# Altium PCB LM317_PSU.PcbDoc
Units mm, origin at the board's own origin, x right, y up, seen from the top; angles counter-clockwise.
Board outline 51.31 x 88.9 mm, 2 copper layers (Top Layer, Bottom Layer); 28 components, 11 nets, 68 pads, 2 vias.
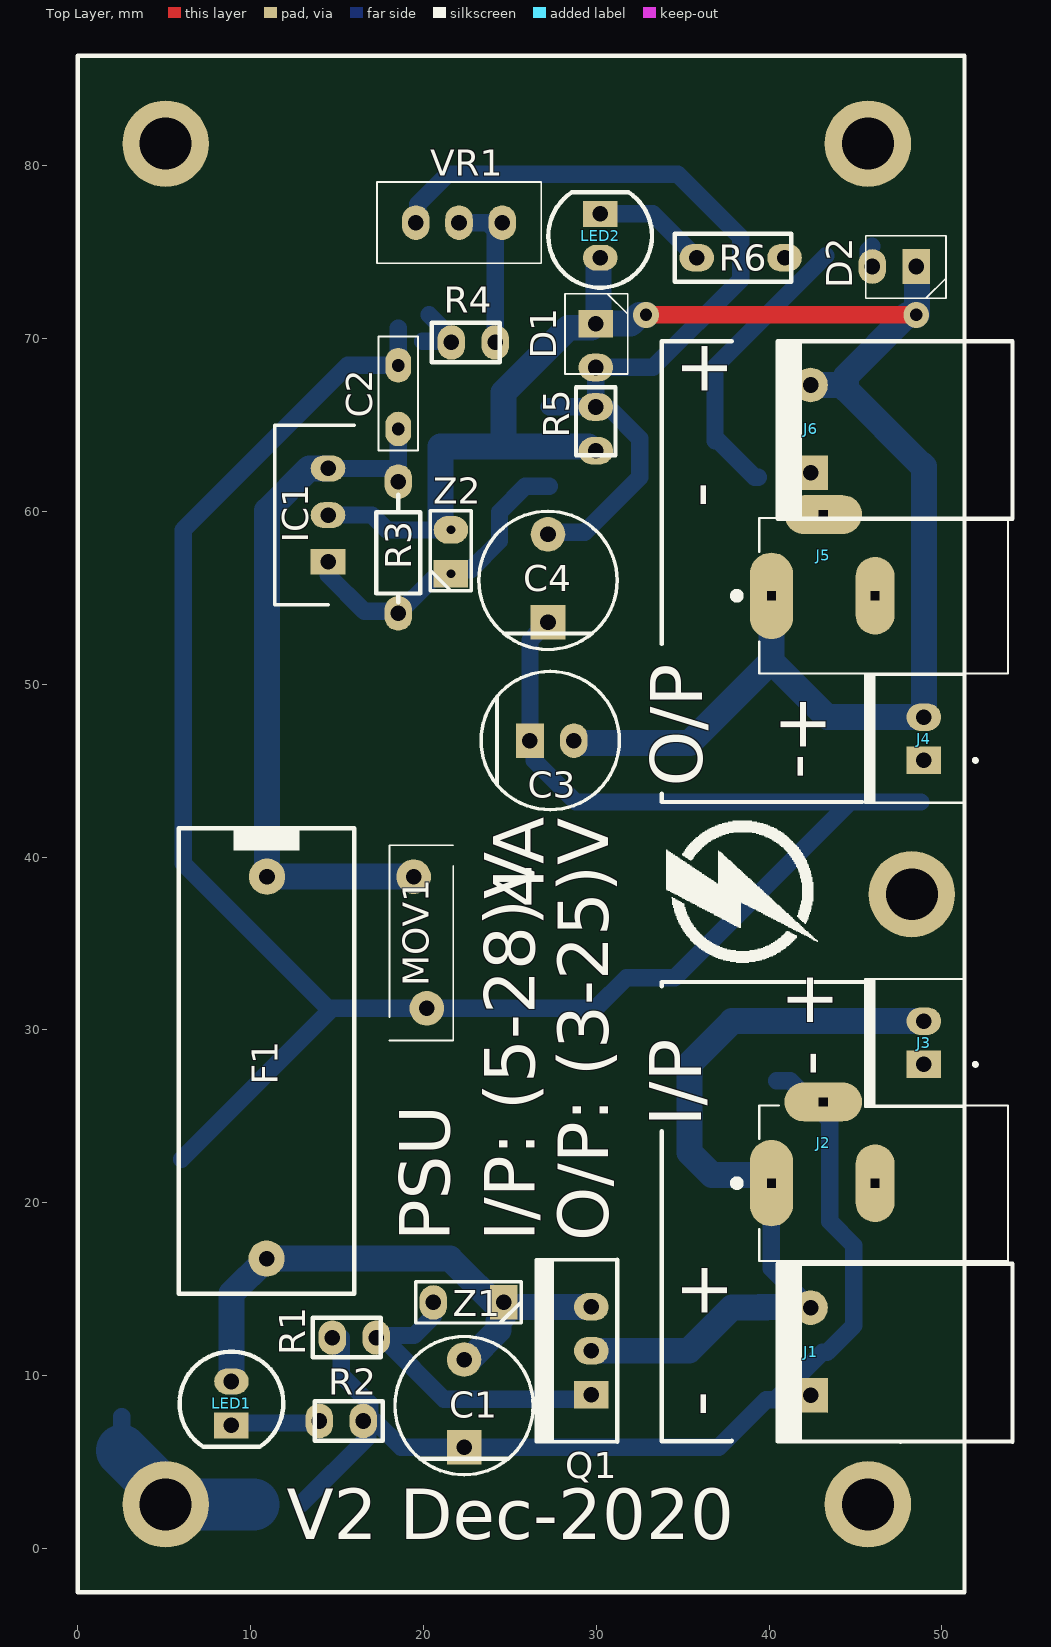
[diagram p0: Top Layer view]
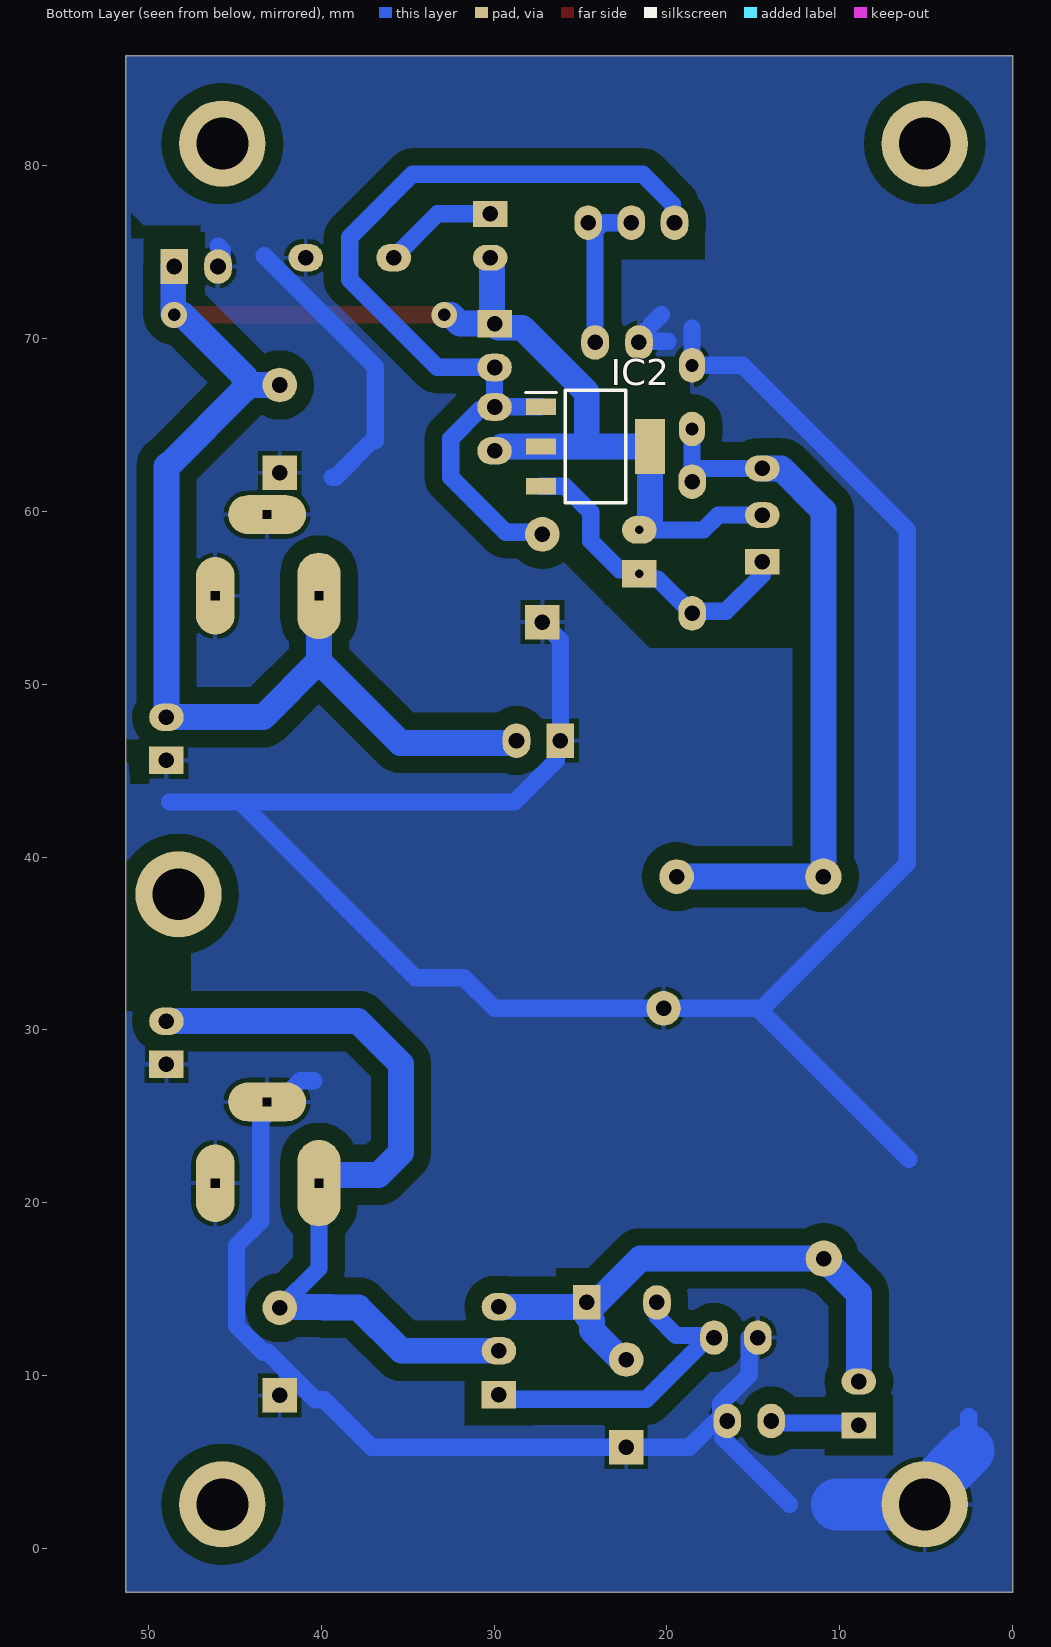
[diagram p1: Bottom Layer view, seen from below]
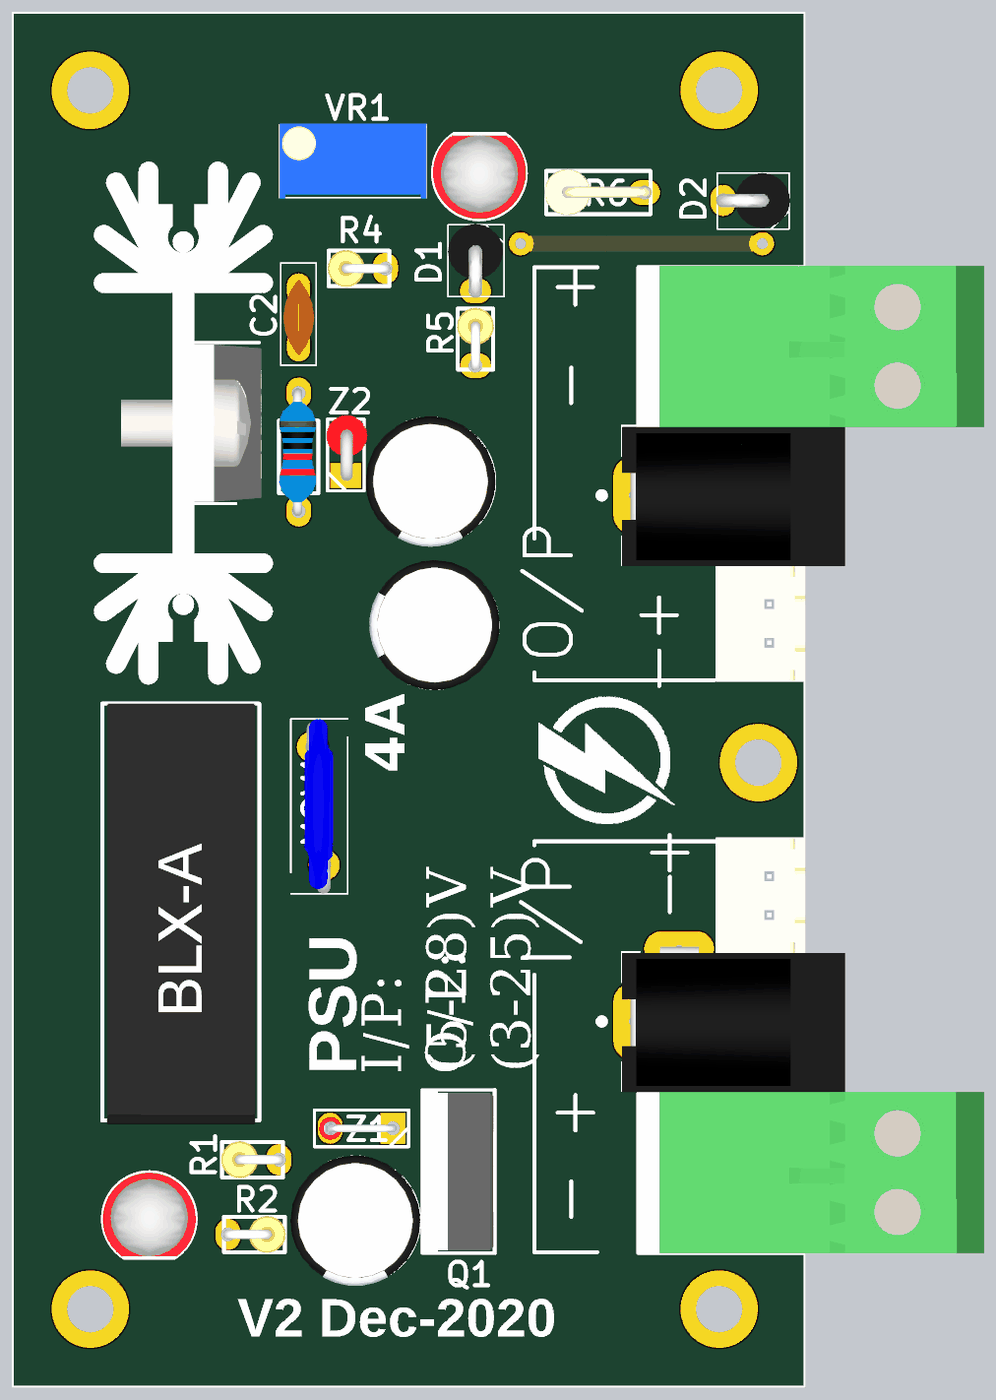
[diagram p2: 3D render of the assembled board from above, using the file's embedded part models]

## Layer stack, top to bottom
Top Solder: solder mask 0.0102, Solder Resist, Dk 3.5
Top Layer: signal copper 0.0356
Dielectric 1: dielectric 0.32, FR-4, Dk 4.8
Bottom Layer: signal copper 0.0356
Bottom Solder: solder mask 0.0102, Solder Resist, Dk 3.5

## Board outline
0,86.36 51.308,86.36 51.308,-2.54 0,-2.54

## Design rules (kind name [scope] priority, off if disabled: settings)
Clearance Clearance_3 [InNamedPolygon('GND_layer0')] p1: gap=1 ignorepadtopadclearanceinfootprint=FALSE
Clearance [All] p2: gap=1 ignorepadtopadclearanceinfootprint=FALSE
PolygonConnect [All] p1: connectstyle=Relief reliefconductorwidth=0.254 reliefentries=4 polygonreliefangle="90 Angle" airgapwidth=0.254
RoutingLayers [All] p1: top layer_v5=FALSE bottom layer_v5=TRUE
RoutingVias [All] p1: holewidth=0.711 width=1.27 viastyle="Through Hole" minholewidth=0.711 minwidth=1.27 maxholewidth=0.711 maxwidth=1.27
SolderMaskExpansion [All] p1: expansion=0.102 istentingtop=FALSE
Width [All] p1: maxlimit=2 minlimit=0.6 preferedwidth=1
29 further rules are at their usual default settings.

## Components (designator, comment, footprint, x,y, rotation, side; value= is the part's Value field where it differs from the comment)
C1 "Polarized Cap 100uF 50V" "CAP 5.08MM RADIAL" 22.352,8.382 r270 top
C2 "Cap Ceramic 100nF 50V" "CAP CERAMIC 104" 18.542,66.612 r90 top
C3 "Polarized Cap 33u 50V" "CAPACITOR 2.54MM 7MMRADIAL" 27.432,46.736 r180 top (schematic designator C4)
C4 "Polarized Cap 10uF 50V" "CAP 5.08MM RADIAL" 27.205,56.134 r270 top (schematic designator C3)
D1 "1N4007" "DIODE 2.54MM TH V" 29.972,69.596 r270 top
D2 "1N4007" "DIODE 2.54MM TH V" 47.244,74.168 r180 top
F1 "Fuse 6A Ceramic" "FUSE BLX 5*20 TH" 10.922,27.432 r270 top
IC1 "TIP32C With Heatsink" "TIP32C TO-220 TH HEATSINK" 14.478,59.784 r90 top
IC2 "LM317" "LM317M SMT" 24.13,63.754 r180 bottom
J1 "Terminal Block Green 5.08mm" "SCREW TERMINAL BLOCK  PLUGGABLE5.08MM TH GREEN" 42.4,11.382 r179.99 top locked
J2 "DC Power Jack PJ002" "DC POWER JACK 2.1MM PJ-002AH TH" 40.132,21.126 r0 top locked
J3 "JST on PCB Connector 2 pins" "JST_B2B TH" 48.958,29.25 r90.05 top locked
J4 "JST on PCB Connector 2 pins" "JST_B2B TH" 48.958,46.84 r90.05 top locked
J5 "DC Power Jack PJ002" "DC POWER JACK 2.1MM PJ-002AH TH" 40.132,55.116 r0 top locked
J6 "Terminal Block Blue 5.08mm" "SCREW TERMINAL BLOCK  PLUGGABLE5.08MM TH GREEN" 42.4,64.773 r179.99 top locked
LED1 "RED 5mm" "LED 5MM RED TH" 8.89,8.382 r90 top
LED2 "RED 5mm" "LED 5MM RED TH" 30.226,75.946 r270 top
MOV1 "Varistor 30VDC" "VARISTOR 10MM TH" 19.812,35.052 r90 top
Q1 "IRF5305" "IRF5305 TH TO-220" 29.718,11.43 r90 top
R1 "100K 0.25W" "RES 2.54MM V TH" 16.002,12.192 r0 top
R2 "1.5K 1W" "RES 2.54MM V TH" 15.24,7.366 r180 top
R3 "0.5R 0.5W" "RES 7.62MM H TH" 18.542,57.912 r90 top
R4 "330R 0.25W" "RES 2.54MM V TH" 22.885,69.774 r0 top
R5 "240R 0.25W" "RES 2.54MM V TH" 29.972,64.77 r270 top
R6 "1.5K 1W" "RES 5.08MM V TH" 38.354,74.676 r180 top
VR1 "Trimmer 5K 0.5W" "TRIMMER 2.54MM TH" 22.058,76.708 r0 top
Z1 "Zener 9.1V" "ZENER 4MM V TH" 22.606,14.224 r180 top
Z2 "Zener 30V" "ZENER 2.54MM V TH" 21.59,57.658 r90 top

## Footprints (in the part's own frame and the unit in brackets; to place one, negate y for a bottom-side part, rotate by r counter-clockwise, add the part's x,y. Pads: shape width x height; smd on the part's side, far side on the other; paste and mask are expansions set on the pad)
"CAP 5.08MM RADIAL" [mm]
  round 2 hole 0.9: 1(-2.54,0)
  rect 2x2 hole 0.9: 2(2.54,0)
  silkscreen extent -3.87,-4 4.13,4, body extent -4.09,-4.35 4.35,4.06, height 12.08
"CAP CERAMIC 104" [mm]
  oval 2x1.5 hole 0.75: 1(-1.841,0) 2(1.841,0)
  silkscreen extent -3.09,-1.14 3.51,1.15, body extent -2.47,-1.01 2.45,0.99, height 6.89
"CAPACITOR 2.54MM 7MMRADIAL" [mm]
  oval 1.6x2 hole 0.9: 1(-1.27,0)
  rect 1.6x2 hole 0.9: 2(1.27,0)
  silkscreen extent -3.9,-4 4.1,4, body extent -4.11,-4.2 4.33,4.2, height 12.08
"DC POWER JACK 2.1MM PJ-002AH TH" [mm]
  oval 2.5x5 hole 0.5 square: 1(0,0)
  oval 4.5x2.25 hole 0.5 square: 2(3,4.7)
  oval 2.25x4.5 hole 0.5 square: 2(6,0)
  silkscreen extent -2.2,-4.5 13.7,4.5, body extent -0.68,-4.57 13.72,4.83, height 11.05
"DIODE 2.54MM TH V" [mm] "2.54mm Vertical"
  rect 1.6x2 hole 0.9: 1(-1.27,0)
  oval 1.6x2 hole 0.9: 2(1.27,0)
  silkscreen extent -3,-1.78 1.65,1.84, body extent -3.05,-1.78 1.7,1.78, height 11.05
"FUSE BLX 5*20 TH" [mm]
  round 2.1 hole 0.9: 1(-11.43,0.026) 2(10.668,0)
  silkscreen extent -14.22,-5.08 12.7,5.08, body extent -14.22,-4.77 12.95,4.83, height 13.08
"IRF5305 TH TO-220" [mm]
  rect 1.6x2 hole 0.9: 1(-2.54,0)
  oval 1.6x2 hole 0.9: 2(0,0) 3(2.54,0)
  silkscreen extent -5.27,-1.5 5.27,3.19, body extent -5.08,-1.42 5.08,2.79, height 15.38
"JST_B2B TH" [mm]
  oval 1.6x2 hole 0.9: 1(1.25,0)
  rect 1.6x2 hole 0.9: 2(-1.25,0)
  silkscreen extent -3.7,-3.07 3.7,3.4, body extent -3.7,-2.35 3.7,3.4, height 3.41
"LED 5MM RED TH" [mm]
  oval 1.5x2 hole 0.9: 1(1.27,0)
  rect 1.5x2 hole 0.9: 2(-1.27,0)
  silkscreen extent -2.51,-3 3,3, body extent -2.44,-3.01 2.98,3.01, height 8.6
"LM317M SMT" [mm]
  rect 1.75x0.95 smd: 1(-3.15,2.3) 2(-3.15,0) 3(-3.15,-2.3)
  rect 1.75x3.2 smd: 2(3.15,0)
  silkscreen extent -4.03,-3.25 1.75,3.25, body extent -3.5,-3.25 3.5,3.25, height 1.8
"RES 2.54MM V TH" [mm]
  oval 1.6x2 hole 0.9: 1(-1.27,0) 2(1.27,0)
  silkscreen extent -2.41,-1.14 1.52,1.14, body extent -2.47,-1.2 1.57,1.2, height 9.4
"RES 5.08MM V TH" [mm]
  oval 2x1.6 hole 0.9: 1(-2.54,0) 2(2.54,0)
  silkscreen extent -2.92,-1.4 3.81,1.4, body extent -3.02,-1.52 3.94,1.48, height 13.28
"RES 7.62MM H TH" [mm]
  oval 2x1.6 hole 0.9: 1(-3.81,0) 2(3.81,0)
  silkscreen extent -3.17,-1.27 3.05,1.27, body extent -4.11,-1.14 4.11,1.27, height 3.36
"SCREW TERMINAL BLOCK  PLUGGABLE5.08MM TH GREEN" [mm]
  round 2 hole 0.9: 1(0,-2.54)
  rect 2x2 hole 0.9: 2(0,2.54)
  silkscreen extent -11.68,-5.08 2.03,5.21, body extent -23.11,-10.55 3.22,10.61, height 15.16
"TIP32C TO-220 TH HEATSINK" [mm]
  rect 1.5x2 hole 0.9: 1(-2.7,0)
  oval 1.5x2 hole 0.9: 2(0,0) 3(2.7,0)
  silkscreen extent -5.2,-1.53 5.2,3.07, body extent -16.9,-2.41 16.9,9.19, height 25.01
"TRIMMER 2.54MM TH" [mm] "5K 0.5W"
  oval 1.6x2 hole 0.9: 1(-2.5,0) 2(0,0) 3(2.5,0)
  silkscreen extent -4.75,-2.35 4.75,2.35, body extent -4.76,-2.41 4.76,2.41, height 11.56
"VARISTOR 10MM TH" [mm]
  round 2 hole 0.9: 1(-3.81,-0.381) 2(3.81,0.381)
  silkscreen extent -5.67,-1.91 5.63,1.78, body extent -5.67,-0.95 5.63,0.9, height 15.97
"ZENER 2.54MM V TH" [mm]
  oval 1.6x2 hole 0.5: 1(1.27,0)
  rect 1.6x2 hole 0.5: 2(-1.27,0)
  silkscreen extent -2.25,-1.19 2.38,1.19, body extent -1.63,-1.4 2.64,1.27, height 6.39
"ZENER 4MM V TH" [mm]
  oval 1.6x2 hole 0.9: 1(2.032,0)
  rect 1.6x2 hole 0.9: 2(-2.032,0)
  silkscreen extent -3.05,-1.19 3.05,1.19, body extent -2.25,-0.74 2.75,0.76, height 7.34

## Part data
C1 C3 C4: library part PolarizedCapacitors, "Capacitors", Capacitance=100uF, Case/Package=Radial, Leakage Current=3uA, Manufacturer=Rubycon, Manufacturer Part Number=25YXH100MEFC6.3X11, Max Operating Temperature=105°C, Min Operating Temperature=-40°C, Package Quantity=2000, Ripple Current=340mA, Supplier Part Number 1=1189-1898-ND, Tolerance=20%, Voltage=25V, Category="Aluminum Electrolytic Capacitors", ComponentLink1Description=https://datasheet.ciiva.com/11778/0900766b80e2e4c1-11778109.pdf?src-supplier=RSComponents, ComponentLink1URL=https://datasheet.ciiva.com/11778/0900766b80e2e4c1-11778109.pdf?src-supplier=RSComponents, ComponentLink2Description=https://datasheet.ciiva.com/11690/e-yxh-11690895.pdf?src-supplier=Avnet, ComponentLink2URL=https://datasheet.ciiva.com/11690/e-yxh-11690895.pdf?src-supplier=Avnet, ComponentLink3Description=https://datasheet.ciiva.com/17512/e-yxh-17512965.pdf?src-supplier=Avnet+Europe, ComponentLink3URL=https://datasheet.ciiva.com/17512/e-yxh-17512965.pdf?src-supplier=Avnet+Europe, ComponentLink4Description=https://datasheet.ciiva.com/6298/e-yxh-6298618.pdf?src-supplier=Digi-Key, ComponentLink4URL=https://datasheet.ciiva.com/6298/e-yxh-6298618.pdf?src-supplier=Digi-Key, Diameter=6.3mm, Height=11mm, Height - Seated (Max)=0.492inch, Impedance=220mR, Lead Diameter=0.5mm, Lead Pitch=2.5mm, Life (Hours)=5000Hour, Mount="Through Hole", Number of Pins=2, Packaging=Bulk, Pricing 1="1=0.29000, 10=0.20500, 50=0.14320, 100=0.12270, 500=0.09202, 1000=0.07771, 2500=0.07362, 5000=0.06953 (USD)", Radiation Hardening=No, REACH SVHC=Unknown, RoHS=Yes, Stock 1=2009, Supplier 1=Digi-Key, Termination=Radial, Voltage Rating=25V, Voltage Rating (DC)=25V
C2: library part Ceramic_Capacitors, "Capacitor Ceramic", Capacitance=100nF, Case/Package=Dipped, Dielectric=X7R, Manufacturer=KEMET, Manufacturer Part Number=C320C104M5R5TA7301, Max Operating Temperature=125°C, Min Operating Temperature=-55°C, Package Quantity=2500, Supplier Part Number 1=399-13978-1-ND, Tolerance=20%, Voltage Rating=50V, Category="Ceramic Capacitors", ComponentLink1Description=https://datasheet.ciiva.com/5396/f3101-goldmax-5396597.pdf?src-supplier=Mouser, ComponentLink1URL=https://datasheet.ciiva.com/5396/f3101-goldmax-5396597.pdf?src-supplier=Mouser, Depth=3.18mm, Dissipation Factor=2.5%, Height=3.18mm, Lead Diameter=0.51mm, Lead Pitch=2.54mm, Lead/Base Style=Straight, Length=6.6mm, Packaging="Tape and Reel", Pricing 1="1=0.24000, 10=0.16200, 50=0.10800, 100=0.09180, 500=0.06480, 1000=0.05670 (USD)", RoHS=Yes, Stock 1=8222, Supplier 1=Digi-Key, Termination=Radial, Width=5.08mm
D1 D2: library part Diodes, "Diodes", Arrow Part Number=1N4007-E3/53, Manufacturer_Name=Vishay, Mouser Part Number=625-1N4007-E3/53, Arrow Price/Stock=https://www.arrow.com/en/products/1n4007-e353/vishay, Datasheet Link=http://www.vishay.com/docs/88503/1n4001.pdf, Manufacturer_Part_Number=1N4007-E3/53, Mouser Price/Stock=https://www.mouser.co.uk/ProductDetail/Vishay-General-Semiconductor/1N4007-E3-53?qs=N4vtoAxH%2FSpFgYSIWmQOdg%3D%3D
F1: library part Fuses, "Fuse", Case/Package=Radial, Color=Silver, Current Rating=6.3A, Manufacturer=Schurter, Manufacturer Part Number=0751.0052, Max Operating Temperature=85°C, Min Operating Temperature=-40°C, Package Quantity=1000, Supplier Part Number 1=486-1173-ND, Voltage Rating=250V, Body Material=Brass,Bronze, Category="Fuse Holders", ComponentLink1Description=https://datasheet.ciiva.com/298/typ-og-clip-5x20-298130.pdf?src-supplier=Mouser, ComponentLink1URL=https://datasheet.ciiva.com/298/typ-og-clip-5x20-298130.pdf?src-supplier=Mouser, ComponentLink2Description=https://datasheet.ciiva.com/17406/typ-og-clip-5x20-17406545.pdf?src-supplier=Avnet+Europe, ComponentLink2URL=https://datasheet.ciiva.com/17406/typ-og-clip-5x20-17406545.pdf?src-supplier=Avnet+Europe, ComponentLink3Description=https://datasheet.ciiva.com/3014/typ-og-clip-5x20-3014741.pdf?src-supplier=Avnet, ComponentLink3URL=https://datasheet.ciiva.com/3014/typ-og-clip-5x20-3014741.pdf?src-supplier=Avnet, ComponentLink4Description=https://datasheet.ciiva.com/295/typ-og-clip-5x20-295734.pdf?src-supplier=Digi-Key, ComponentLink4URL=https://datasheet.ciiva.com/295/typ-og-clip-5x20-295734.pdf?src-supplier=Digi-Key, ComponentLink5Description=https://datasheet.ciiva.com/16215/629typ-og-clip-5x20-16215174.pdf?src-supplier=Onlinecomponents.com, ComponentLink5URL=https://datasheet.ciiva.com/16215/629typ-og-clip-5x20-16215174.pdf?src-supplier=Onlinecomponents.com, ComponentLink6Description=https://datasheet.ciiva.com/14102/zoog-clip-5x20-e-14102796.pdf?src-supplier=Distrelec, ComponentLink6URL=https://datasheet.ciiva.com/14102/zoog-clip-5x20-e-14102796.pdf?src-supplier=Distrelec, ComponentLink7Description=https://datasheet.ciiva.com/15188/getdatasheetpartid-392158-15188044.pdf?src-supplier=Verical, ComponentLink7URL=https://datasheet.ciiva.com/15188/getdatasheetpartid-392158-15188044.pdf?src-supplier=Verical, ComponentLink8Description=https://datasheet.ciiva.com/16381/typ-og-clip-5x20-16381548.pdf?src-supplier=Future+Electronics, ComponentLink8URL=https://datasheet.ciiva.com/16381/typ-og-clip-5x20-16381548.pdf?src-supplier=Future+Electronics, ComponentLink9Description=https://datasheet.ciiva.com/16463/typ-og-clip-5x20-16463852.pdf?src-supplier=Avnet+Asia, ComponentLink9URL=https://datasheet.ciiva.com/16463/typ-og-clip-5x20-16463852.pdf?src-supplier=Avnet+Asia, ComponentLink10Description=https://datasheet.ciiva.com/30196/typ-og-clip-5x20-30196268.pdf?src-supplier=Onlinecomponents.com, ComponentLink10URL=https://datasheet.ciiva.com/30196/typ-og-clip-5x20-30196268.pdf?src-supplier=Onlinecomponents.com, Contact Material=Bronze, Contact Plating=Tin, Depth=6.4mm, Height=12mm, Lead Free="Lead Free", Length=5mm, Material=Bronze,Tin, Mount="PCB,Through Hole", Number of Circuits=1, Orientation=Horizontal, Packaging=Bulk, Pricing 1="1=0.23000, 50=0.17500, 100=0.15800, 500=0.11900, 1000=0.09240 (USD)", Radiation Hardening=No, RoHS=Yes, Stock 1=6794, Supplier 1=Digi-Key, Termination="PC Pin", Voltage Rating (AC)=250V, Weight=0.021164oz, Width=6mm
IC1: library part TIP32C, "Integrated Circuit", Manufacturer_Name=STMicroelectronics, Mouser Part Number=511-TIP32C, Arrow Part Number=TIP32C, Arrow Price/Stock=https://www.arrow.com/en/products/tip32c/stmicroelectronics, Datasheet Link=http://www.st.com/web/en/resource/technical/document/datasheet/CD00145629.pdf, Height=4.6mm, Manufacturer_Part_Number=TIP32C, Mouser Price/Stock=https://www.mouser.co.uk/ProductDetail/STMicroelectronics/TIP32C?qs=ljbEvF4DwONbJ5tF0yFRvw%3D%3D
IC2: "IC", Arrow Part Number=LM317T, Manufacturer_Name="Texas Instruments", Mouser Part Number=926-LM317T, Arrow Price/Stock=https://www.arrow.com/en/products/lm317t/texas-instruments, Datasheet Link=http://www.ti.com/general/docs/lit/getliterature.tsp?genericPartNumber=LM317-N&fileType=pdf, Height=4.7mm, Manufacturer_Part_Number=LM317T, Mouser Price/Stock=https://www.mouser.co.uk/ProductDetail/Texas-Instruments/LM317T?qs=X1J7HmVL2ZGY%2FgfLis%252BFJQ%3D%3D
J1 J2 J3 J4 J5 J6: library part Terminal_Block_2Pos, "Terminals 2POS", Color=Green, Current=10A, Current Rating=13.5A, Flammability Rating="UL94 V-0", Manufacturer="Phoenix Contact", Manufacturer Part Number=1729128, Max Operating Temperature=100°C, Max Supply Voltage=400V, Min Operating Temperature=-20°C, Package Quantity=50, Supplier Part Number 1=277-1247-ND, Test Voltage=4kV, Voltage=300V, Approvals=UL,CSA, Category="Terminal Blocks", ComponentLink1Description=https://datasheet.ciiva.com/823/1729128-823779.pdf?src-supplier=Digi-Key, ComponentLink1URL=https://datasheet.ciiva.com/823/1729128-823779.pdf?src-supplier=Digi-Key, ComponentLink2Description=https://datasheet.ciiva.com/15169/getdatasheetpartid-199310-15169845.pdf?src-supplier=Verical, ComponentLink2URL=https://datasheet.ciiva.com/15169/getdatasheetpartid-199310-15169845.pdf?src-supplier=Verical, ComponentLink3Description=https://datasheet.ciiva.com/16046/1729128-16046181.pdf?src-supplier=Onlinecomponents.com, ComponentLink3URL=https://datasheet.ciiva.com/16046/1729128-16046181.pdf?src-supplier=Onlinecomponents.com, ComponentLink4Description=https://datasheet.ciiva.com/14607/70054405-14607157.pdf?src-supplier=Allied+Electronics, ComponentLink4URL=https://datasheet.ciiva.com/14607/70054405-14607157.pdf?src-supplier=Allied+Electronics, ComponentLink5Description=https://datasheet.ciiva.com/29218/743664-da-01-en-printklemmenblock-mkdsn-1-5-2-5-08-29218154.pdf?src-supplier=Conrad, ComponentLink5URL=https://datasheet.ciiva.com/29218/743664-da-01-en-printklemmenblock-mkdsn-1-5-2-5-08-29218154.pdf?src-supplier=Conrad, Connector Type=Screw, Contact Material=Tin, Depth=8.1mm, Height=13.5mm, Housing Color=Green, Housing Material=Polyamide, Insulation Material=Nylon, Lead Free="Lead Free", Length=8.1mm, Max Current Rating=13.5A, Mount="Through Hole", Number of Circuits=2, Number of Contacts=2, Number of Levels=1, Number of Pins=2, Number of Poles=2, Number of Positions=2, Number of Positions Per Level=2, Number of Rows=1, Orientation=Straight, Packaging=Bulk, Pitch=5.08mm, Pricing 1="1=1.09000, 10=1.04700, 50=1.00100, 100=0.97370, 250=0.91000, 500=0.83720, 1000=0.77350, 2500=0.73710, 5000=0.69160 (USD)", Radiation Hardening=No, REACH SVHC="No SVHC", RoHS=Yes, Stock 1=9869, Supplier 1=Digi-Key, Termination=Screw, Voltage Rating=400V, Weight=0.069842oz, Width=13.5mm, Wire Gauge (Max)=26AWG, Wire Gauge (Min)=14AWG, Wire/Cable Gauge=26AWG
LED1 LED2: library part LEDs_Single, "LEDs", Case/Package=Radial, Color=Red, Forward Current=20mA, Forward Voltage=1.8V, Manufacturer="Vishay Semiconductors", Manufacturer Part Number=TLDR5400, Max Operating Temperature=100°C, Min Operating Temperature=-40°C, Package Quantity=4000, Power Dissipation=100mW, Reverse Voltage=6V, Supplier Part Number 1=70061525, Category=LEDs, ComponentLink1Description=https://datasheet.ciiva.com/28652/tldr5400-28652624.pdf?src-supplier=Element14, ComponentLink1URL=https://datasheet.ciiva.com/28652/tldr5400-28652624.pdf?src-supplier=Element14, ComponentLink2Description=https://datasheet.ciiva.com/7639/6597-7639122.pdf?src-supplier=Element14, ComponentLink2URL=https://datasheet.ciiva.com/7639/6597-7639122.pdf?src-supplier=Element14, ComponentLink3Description=https://datasheet.ciiva.com/4691/tldr5400-240375-4691911.pdf?src-supplier=Mouser, ComponentLink3URL=https://datasheet.ciiva.com/4691/tldr5400-240375-4691911.pdf?src-supplier=Mouser, ComponentLink4Description=https://datasheet.ciiva.com/18446/70061525-18446460.pdf?src-supplier=Allied+Electronics, ComponentLink4URL=https://datasheet.ciiva.com/18446/70061525-18446460.pdf?src-supplier=Allied+Electronics, Depth=5.8mm, Diameter=5mm, Dominant Wavelength=648nm, Height=8.7mm, Illumination Color=Red, Lead Length=24mm, Length=5.8mm, Lens Style=Diffused,Dome,Colored,Circular,Round, Lens Transparency=Diffused, Luminous Intensity=70mcd, Mount="Through Hole", Number of Elements=1, Number of LEDs=1, Number of Pins=2, Packaging=Bulk, Pricing 1="4000=0.13000, 40000=0.12800, 100000=0.12600 (USD)", Radiation Hardening=No, REACH SVHC=Unknown, RoHS=Yes, Supplier 1="Allied Electronics", Test Current=20mA, Viewing Angle=30°, Wavelength=650nm
MOV1: library part Varistor, "Varistors", Manufacturer_Name=3ALOGICS, Manufacturer_Part_Number=220KD10, Datasheet Link=https://lcsc.com/product-detail/Varistors_220KD10_C84758.html, Height=16mm
Q1: "MOSFET (P-Channel)", Arrow Part Number=IRF5305PBF, Manufacturer_Name=Infineon, Mouser Part Number=942-IRF5305PBF, Arrow Price/Stock=https://www.arrow.com/en/products/irf5305pbf/infineon-technologies-ag, Datasheet Link=https://www.infineon.com/dgdl/irf5305pbf.pdf?fileId=5546d462533600a4015355e370101993, Height=4.69mm, Manufacturer_Part_Number=IRF5305PBF, Mouser Price/Stock=https://www.mouser.co.uk/ProductDetail/Infineon-Technologies/IRF5305PBF?qs=9%252BKlkBgLFf3WAOOEkAEJ1w%3D%3D
R1 R2 R3 R4 R5 R6: library part Resistors_Single, "Resistors", Case/Package=Axial, Manufacturer=Yageo, Manufacturer Part Number=CFR-25JB-52-100K, Max Operating Temperature=155°C, Max Power Dissipation=250mW, Min Operating Temperature=-55°C, Package Quantity=200, Resistance=100kR, Resistor Type="Carbon Film", Supplier Part Number 1=100KQBK-ND, Temperature Coefficient=-700ppm/°C, Tolerance=5%, Category="Through-Hole Resistors", ComponentLink1Description=http://www.yageo.com/NewPortal/yageodocoutput?fileName=/pdf/throughhole/Yageo_LR_CFR_2013.pdf&src-supplier=Digi-Key, ComponentLink1URL=http://www.yageo.com/NewPortal/yageodocoutput?fileName=/pdf/throughhole/Yageo_LR_CFR_2013.pdf&src-supplier=Digi-Key, ComponentLink2Description=http://www.yageo.com/documents/recent/General%20Type_CFR.pdf?src-supplier=Future+Electronics, ComponentLink2URL=http://www.yageo.com/documents/recent/General%20Type_CFR.pdf?src-supplier=Future+Electronics, Lead Free="Lead Free", Length=0.248inch, Number of Terminations=2, Packaging=Bulk, Power Rating=250mW, Pricing 1="1=0.10000, 25=0.04640, 50=0.03600, 100=0.02580, 250=0.02008, 500=0.01596, 750=0.01365, 1000=0.01133, 2000=0.00979 (USD)", RoHS=Yes, Stock 1=105911, Supplier 1=Digi-Key
VR1: library part VariableResistors, "Variable Resistors", Manufacturer=Bourns, Manufacturer Part Number=3296W-1-502RLF, Max Operating Temperature=125°C, Max Power Dissipation=500mW, Min Operating Temperature=-55°C, Package Quantity=1000, Resistance=5kR, Resistor Type=Cermet, Supplier Part Number 1=3296W-1-502RLFCT-ND, Temperature Coefficient=100ppm/°C, Tolerance=10%, Category="Variable Resistors and Potentiometers", ComponentLink1Description=https://datasheet.ciiva.com/8088/3296-8088713.pdf?src-supplier=Avnet, ComponentLink1URL=https://datasheet.ciiva.com/8088/3296-8088713.pdf?src-supplier=Avnet, ComponentLink2Description=https://datasheet.ciiva.com/16807/3296-16807737.pdf?src-supplier=Avnet+Europe, ComponentLink2URL=https://datasheet.ciiva.com/16807/3296-16807737.pdf?src-supplier=Avnet+Europe, ComponentLink3Description=https://datasheet.ciiva.com/2162/3296-2162778.pdf?src-supplier=Digi-Key, ComponentLink3URL=https://datasheet.ciiva.com/2162/3296-2162778.pdf?src-supplier=Digi-Key, Depth=4.83mm, Height=0.395inch, Length=9.53mm, Military Standard=Not, Mount="Through Hole", Number of Turns=25, Packaging="Tape and Reel", Power Rating=500mW, Pricing 1="1=3.74000, 10=3.27600, 25=2.92520, 50=2.74960, 100=2.69100, 250=2.57400, 500=2.10600 (USD)", Radiation Hardening=No, RoHS=Yes, Stock 1=1194, Supplier 1=Digi-Key, Taper=Linear, Termination=Pin, Weight=0.03oz, Width=4.83mm
Z1 Z2: library part Zener, "Zeners", Forward Voltage=900mV, Manufacturer="NXP Semiconductors", Manufacturer Part Number=BZX79-C9V1,113, Max Operating Temperature=200°C, Max Power Dissipation=400mW, Max Reverse Current=500nA, Min Operating Temperature=-65°C, Package Quantity=10000, Power Dissipation=500mW, Supplier Part Number 1=1727-2123-1-ND, Test Current=5mA, Tolerance=5%, Working Voltage=9.1V, Zener Voltage=9.05V, Category="Zener Diodes", ComponentLink1Description=https://datasheet.ciiva.com/16211/bzx79-16211546.pdf?src-supplier=Future+Electronics, ComponentLink1URL=https://datasheet.ciiva.com/16211/bzx79-16211546.pdf?src-supplier=Future+Electronics, ComponentLink2Description=https://datasheet.ciiva.com/889/bzx79-889298.pdf?src-supplier=Digi-Key, ComponentLink2URL=https://datasheet.ciiva.com/889/bzx79-889298.pdf?src-supplier=Digi-Key, ComponentLink3Description=https://datasheet.ciiva.com/889/bzx79-889302.pdf?src-supplier=Digi-Key, ComponentLink3URL=https://datasheet.ciiva.com/889/bzx79-889302.pdf?src-supplier=Digi-Key, ComponentLink4Description=https://datasheet.ciiva.com/8347/bzx79-8347356.pdf?src-supplier=Avnet, ComponentLink4URL=https://datasheet.ciiva.com/8347/bzx79-8347356.pdf?src-supplier=Avnet, ComponentLink5Description=https://datasheet.ciiva.com/16559/bzx79-16559628.pdf?src-supplier=Avnet+Europe, ComponentLink5URL=https://datasheet.ciiva.com/16559/bzx79-16559628.pdf?src-supplier=Avnet+Europe, Contact Plating=Tin, Element Configuration=Single, ESD Protection=No, Height=1.85mm, Impedance=15R, Lead Free="Lead Free", Length=4.25mm, Max Reverse Leakage Current=500nA, Mount="Through Hole", Number of Pins=2, Packaging="Tape and Reel", Pricing 1="1=0.13000, 10=0.11700, 100=0.04900, 500=0.03844, 1000=0.02670, 2000=0.02332, 5000=0.02092 (USD)", Radiation Hardening=No, REACH SVHC="No SVHC", RoHS=Yes, Stock 1=5212, Supplier 1=Digi-Key, Voltage Tolerance=5%, Weight=0.01lb, Width=1.85mm

## Free pads (board coordinates)
  round 5 hole 3: 1(5.08,2.54) 1(5.08,81.28) 1(45.72,2.54) 1(45.72,81.28) 1(48.26,37.846)

## Via types
v1: diameter 1.5, hole 0.711, Top Layer to Bottom Layer, 2 vias

## Nets (pads, with @x,y where several pads share a name; then routed paths per layer and width w, separated by ;. In a path a pad name is that pad's centre, name@x,y a point inside that pad or via, vN(x,y) a via of type N, cw(c..) or ccw(c..) an arc to the next point about the centre after c; other vN are vias at no path point)
GND: C1.2 C2.2 C3.2 C4.2 D2.2 J1.2 J2.2 J3.2 J4.2 J5.2 J6.2 MOV1.1 pad.1@5.08,2.54 R1.1 R2.1 R4.1 R6.1 | length 221.5
  Bottom Layer w1: 2.54,5.657 2.54,7.62 ; pad.1@5.08,2.54 pad.1@5.08,3.117 ; 5.997,22.507 14.732,31.242 MOV1.1 29.972,31.242 31.75,33.02 34.544,33.02 44.704,43.18 ; 12.905,2.54 16.778,6.413 16.778,6.964 17.018,7.204 R2.1@17.018,7.366 ; 14.478,31.242 6.096,39.624 6.096,58.928 15.621,68.453 C2.2 18.542,70.612 ; R1.1@15.24,12.192 15.24,10.03 16.903,8.366 16.903,7.481 R2.1@17.018,7.366 ; 19.939,69.85 21.539,69.85 R4.1 21.615,70.079 20.32,71.374 ; C4.2 27.005,53.594 26.705,53.294 26.705,53.094 26.162,52.551 C3.2 26.402,46.496 26.402,45.583 28.805,43.18 44.704,43.18 ; 39.37,61.976 39.17,61.976 37.06,64.086 36.87,64.086 36.87,68.366 43.295,74.791 ; 40.434,27.052 41.221,27.052 43.507,24.766 43.507,18.913 44.901,17.52 44.901,12.887 43.356,11.342 43.092,11.342 40.34,8.59 39.832,8.59 37.084,5.842 C1.2 18.704,5.842 17.18,7.366 R2.1@17.018,7.366 ; D2.2@45.72,74.791 45.72,75.105 45.96,75.345 ; 48.768,43.18 44.704,43.18
  Bottom Layer w3: 2.54,5.657 pad.1@5.08,3.117 ; pad.1@5.08,2.54 10.16,2.54
NetC3_1: C4.1 D1.2 IC2.1 R5.1 VR1.1 | length 52.2
  Bottom Layer w1: VR1.1 19.673,76.823 19.673,77.776 21.399,79.502 34.72,79.502 38.354,75.868 38.354,73.406 33.283,68.335 29.981,68.335 D1.2 R5.1 ; C4.1 27.32,58.789 29.325,58.789 32.512,61.976 32.512,64.213 30.799,65.925 30.087,65.925 R5.1 ; IC2.1 27.287,66.047 29.965,66.047 R5.1
NetIC1_1: IC1.1 IC2.3 R3.1 Z2.2 | length 17.7
  Bottom Layer w1: 14.478,56.322 16.583,54.217 18.427,54.217 R3.1 20.528,56.088 21.29,56.088 Z2.2 21.83,56.628 22.743,56.628 24.398,58.283 24.398,59.958 25.894,61.454 IC2.3
NetLED1_2: LED1.2 R2.2 | length 5.2
  Bottom Layer w1: LED1.2 9.029,7.251 13.855,7.251 R2.2
NetLED2_2: LED2.2 R6.2 | length 6.6
  Bottom Layer w1: LED2.2 33.274,77.216 R6.2
NetQ1_1: Q1.1 R1.2 Z1.1 | length 17
  Bottom Layer w1: Z1.1@20.574,13.462 20.574,13.424 19.456,12.307 17.895,12.307 17.78,12.192 17.78,12.03 21.188,8.622 29.45,8.622 Q1.1
NetR4_2: R4.2 VR1.2 VR1.3 | length 9.6
  Bottom Layer w1: VR1.2 VR1.3 VR1.3@24.673,76.593 ; VR1.3@23.825,76.581 24.155,76.251 R4.2
VCC1: J1.1 J2.1 J3.1 Q1.2 | length 47
  Bottom Layer w1: J2.1@40.132,20.955 40.132,16.191 J1.1
  Bottom Layer w1.5: Q1.2@29.769,11.43 35.357,11.43 37.849,13.922 39.861,13.922 ; 39.451,13.97 42.17,13.97 J1.1@42.291,13.849 ; J2.1@40.113,21.609 36.684,21.609 35.382,22.911 35.382,28.016 37.866,30.5 J3.1
VCC2: C1.1 F1.2 LED1.1 Q1.3 Z1.2 | length 31.8
  Bottom Layer w1.5: LED1.1 8.89,14.732 F1.2 21.536,16.764 Z1.2@24.638,13.662 ; C1.1@22.606,10.922 22.644,10.922 24.338,12.616 24.338,13.162 24.638,13.462 Z1.2@24.638,13.662 ; Q1.3 24.946,13.97 Z1.2@24.638,13.662
VCC3: C2.1 F1.1 IC1.3 MOV1.2 R3.2 | length 41.5
  Bottom Layer w1: IC1.3 18.288,62.484 18.542,62.738 ; R3.2 18.542,62.738 ; C2.1@18.542,64.897 C2.1 18.542,62.738
  Bottom Layer w1.5: IC1.3 13.392,62.484 10.948,60.04 F1.1 MOV1.2
VCC4: C3.1 D1.1 D2.1 IC1.2 IC2.2 J4.1 J5.1 J6.1 LED2.1 R5.2 Z2.1 | length 113.4
  Top Layer w1: v1@32.971,71.462 32.971,71.411 33.007,71.374 v1(48.514,71.374)
  Bottom Layer w1: IC1.2 17.027,59.784 17.883,58.928 Z2.1@21.463,58.928
  Bottom Layer w1.5: Z2.1 21.552,58.928 20.98,59.5 20.98,63.754 24.638,63.754 ; C3.1@28.651,46.711 C3.1@28.702,46.66 ; C3.1 C3.1@28.702,46.936 ; C3.1@28.829,46.609 35.415,46.609 40.132,51.326 ; R5.2 29.81,63.5 29.556,63.754 27.28,63.754 24.638,63.754 ; LED2.1 30.13,74.58 30.13,71.024 D1.1 ; v1(32.883,71.374) 32.491,71.374 31.983,70.866 D1.1 ; J5.1@40.132,54.864 40.132,51.326 ; J6.1 42.404,67.31 44.45,67.31 ; D2.1@48.566,74.168 48.566,71.426 v1(48.514,71.374) 48.006,71.374 44.45,67.818 44.45,67.056 48.768,62.738 ; 48.844,62.713 48.957,62.6 J4.1 ; J4.1@48.862,48.09 43.368,48.09 40.132,51.326 ; 24.638,63.754 24.638,66.883 28.381,70.626 29.732,70.626 D1.1

## Polygon pours and split planes (outlines as drawn)
GND on Bottom Layer "GND_layer0" (solid, remove dead copper, pour order 0): 0,-2.54 51.308,-2.54 51.308,86.36 0,86.36

## Other copper
Bottom Layer:
  pour cut-out: 23.559,74.6 17.805,74.6 17.805,76.508 23.06,76.508 23.622,75.946
  pour cut-out: 22.835,68.961 18.669,68.961 18.669,66.675 19.202,66.142 23.343,66.142
  pour cut-out: 51.308,34.798 47.498,34.798 47.514,34.782 47.514,31.066 51.23,31.066 51.308,30.988
  pour cut-out: 51.032,77.306 50.275,76.549 46.968,76.549 46.968,75.787 51.032,75.787
  pour cut-out: 51.054,44.196 50.048,44.196 49.883,44.361 50.105,44.583 50.105,46.817 51.227,46.817 51.308,46.736
  pour cut-out: 23.622,66.04 22.352,66.04 22.352,65.368 22.655,65.065 23.327,65.065
  pour cut-out: 27.405,57.066 27.322,57.15 25.4,57.15 25.4,57.658 25.654,57.912
  pour cut-out: 26.739,57.854 21.006,52.121 12.716,52.121 12.259,52.578
  pour cut-out: 19.417,52.349 12.192,52.349 12.192,54.61

## Silkscreen, mask and mechanical layers (free items; w line width, h text height)
Top Overlay:
  drawing of 527 lines, arcs and shapes, not listed
  text "+" at 37.584,66.548 h3 r90
  text "-" at 37.314,60.198 h3 r90
  text "+" at 40.681,49.403 h3 r270
  text "-" at 40.69,45.974 h3 r270
  text "O/P" at 36.144,44.069 h3 r90
  text "4A" at 27.925,37.03 h5 r90
  text "+" at 43.68,29.997 h3 r90
  text "-" at 43.689,27.305 h3 r90
  text "I/P" at 36.068,24.384 h3 r90
  text "PSU" at 22.479,17.755 h5 r90
  text "I/P: (5-28)V" at 27.407,17.755 h5 r90
  text "O/P: (3-25)V" at 31.648,17.755 h5 r90
  text "+" at 37.584,13.208 h3 r90
  text "-" at 37.314,7.62 h3 r90
  text "V2 Dec-2020" at 12.088,-0.429 h5
Assembly:
  lines w0.254: 27.178,23.622 27.432,23.876 27.432,32.512 38.608,32.512 ; 27.432,12.7 27.432,5.334 27.432,3.556 32.512,3.556 ; 27.432,49.022 27.432,40.386 27.432,38.608 38.608,38.608 ; 27.432,58.928 27.432,67.31 31.242,67.31
  text "+" at 30.726,64.008 h3 r90
  text "-" at 30.71,58.674 h3 r90
  text "O/P" at 28.956,49.784 h3 r90
  text "+" at 39.108,42.418 h3 r90
  text "-" at 39.092,39.116 h3 r90
  text "+" at 39.108,29.464 h3 r90
  text "-" at 39.092,25.908 h3 r90
  text "I/P" at 28.702,14.478 h3 r90
  text "+" at 31.488,10.668 h3 r90
  text "-" at 31.472,5.588 h3 r90